# KiCad board Batch 1.kicad_pcb
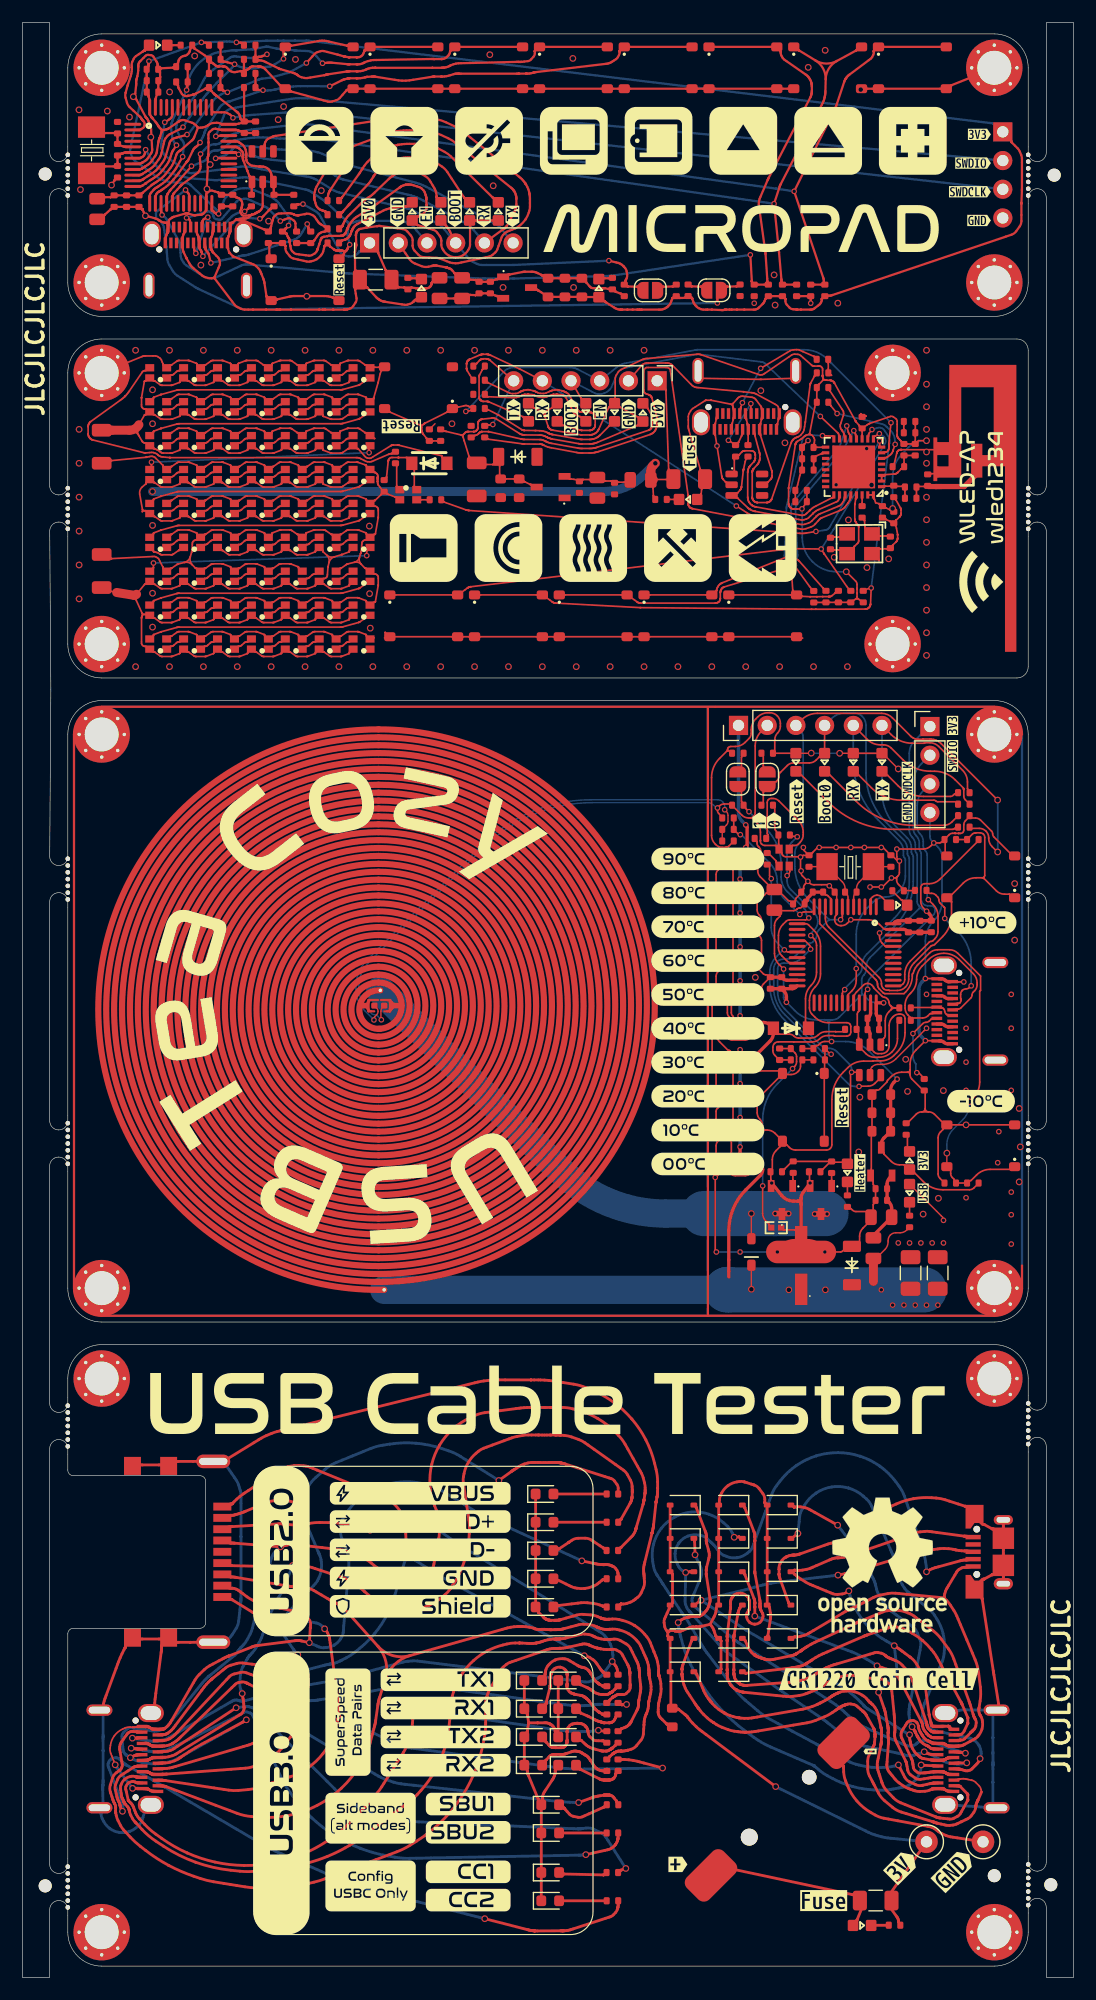
[diagram p0: board, top side]
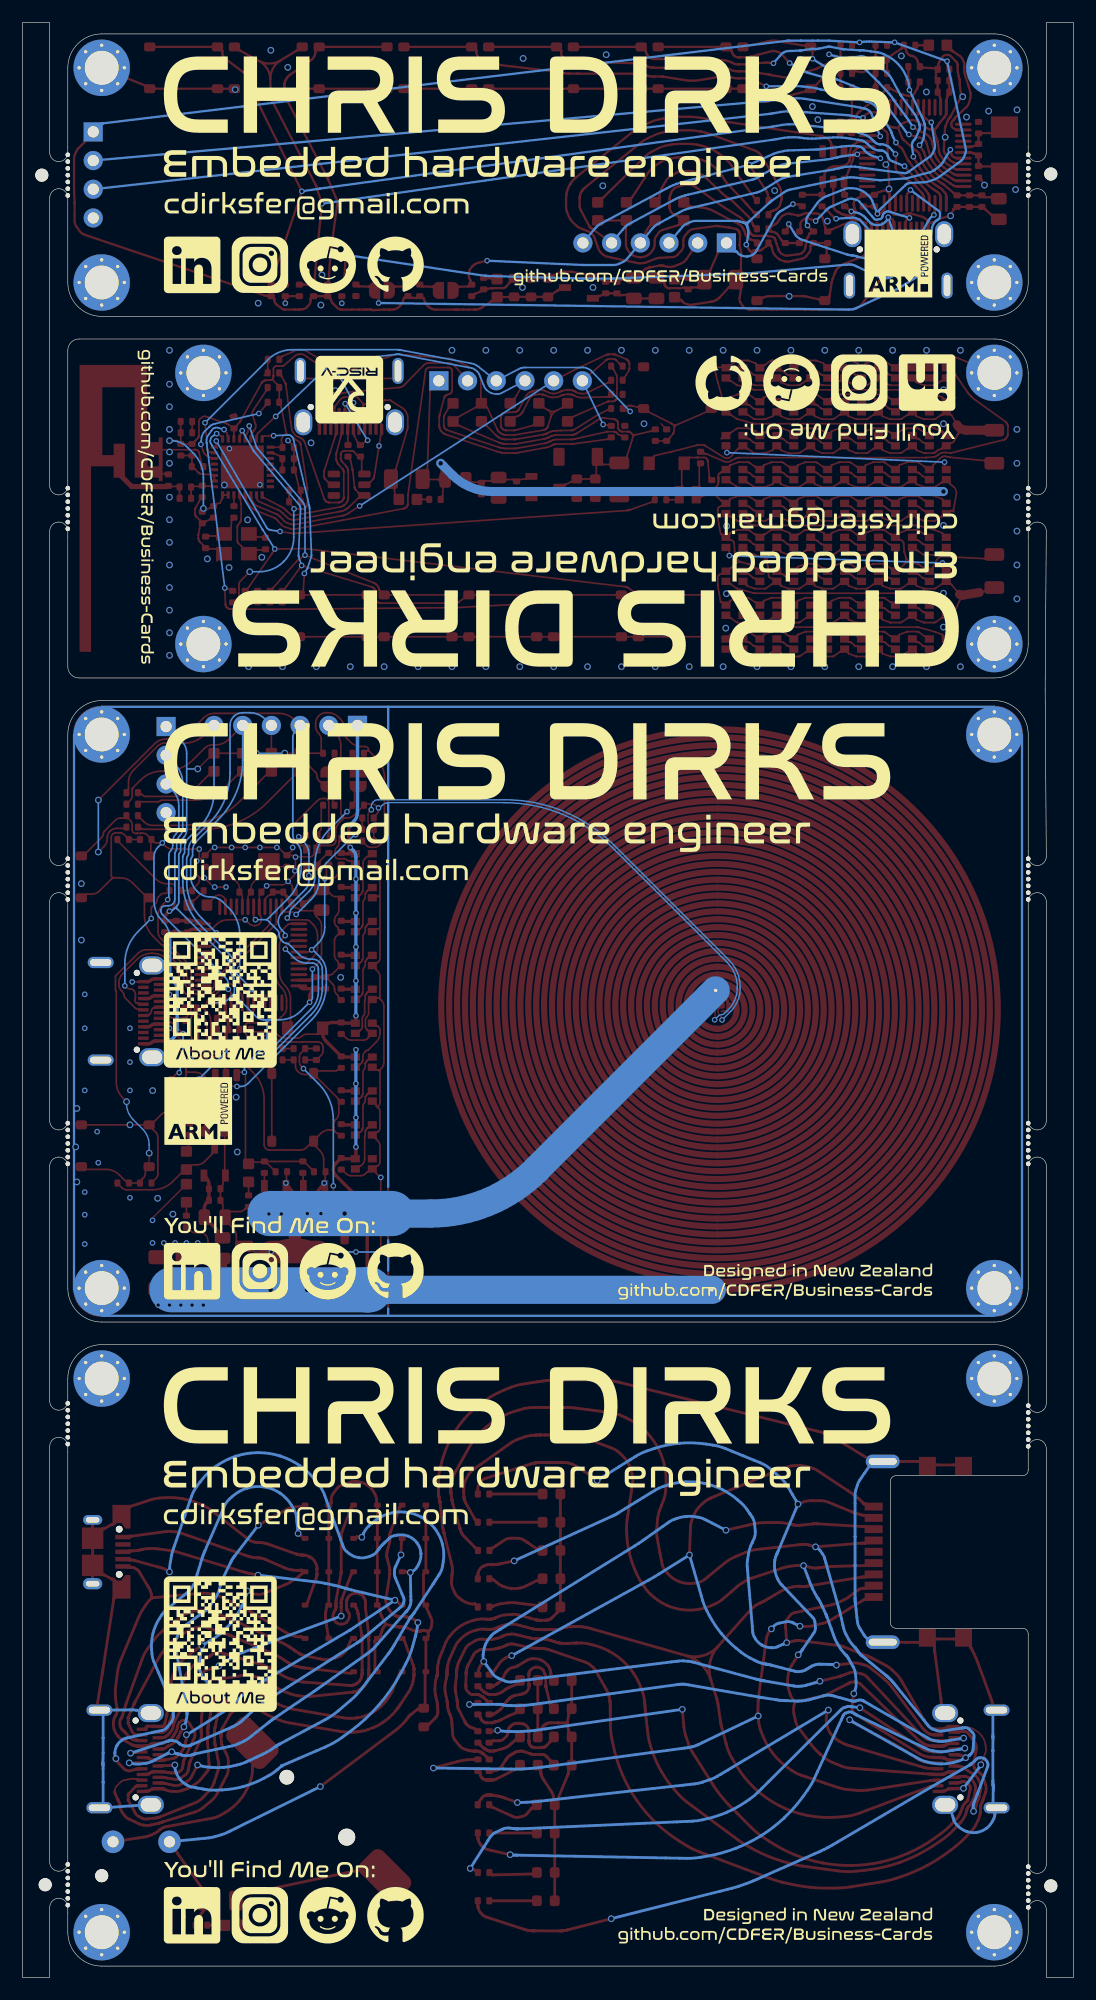
[diagram p1: board, bottom side, seen from below]

Outline 93 x 173 mm; copper layers: Top, Bottom. Coordinates in mm from the lower left corner of the outline.
Outline path: 2.39,57 2.39,71.8 ; 3.2,158.3 arc(2.63,158.07) 2.4,157.5 2.4,146 2.4,132 arc(2.63,131.43) 3.2,131.2 ; 3.2,128.8 arc(2.63,128.57) 2.4,128 2.5,114 2.4,99.2 ; 2.4,75.8 2.4,95.2 ; 2.4,57 2.4,50.8 ; 2.4,10 2.4,46.8 ; 2.4,6 2.4,0 0,0 0,173 2.4,173 2.4,161.5 arc(2.63,160.93) 3.2,160.7 ; 4,162 4,169 arc(4.88,171.12) 7,172 86,172 arc(88.12,171.12) 89,169 89,162 ; 4,157 4,150 arc(4.88,147.88) 7,147 86,147 arc(88.12,147.88) 89,150 89,157 ; 4,132.5 4,142 arc(4.88,144.12) 7,145 88,145 arc(88.71,144.71) 89,144 89,132.5 ; 4,127.5 4,118 arc(4.88,115.88) 7,115 88,115 arc(88.71,115.29) 89,116 89,127.5 ; 4,99.7 4,110 arc(4.88,112.12) 7,113 86,113 arc(88.12,112.12) 89,110 89,99.7 ; 4,76.3 4,94.7 ; 4,71.3 4,61 arc(4.88,58.88) 7,58 86,58 arc(88.12,58.88) 89,61 89,71.3 ; 4,51.3 4,53 arc(4.88,55.12) 7,56 86,56 arc(88.12,55.12) 89,53 89,51.5 ; 4,46.3 4,44.9 arc(4.15,44.55) 4.5,44.4 15.7,44.4 arc(16.05,44.25) 16.2,43.9 16.2,31.4 arc(16.05,31.05) 15.7,30.9 4.5,30.9 arc(4.15,30.75) 4,30.4 4,10.5 ; 4,5.5 4,4 arc(4.88,1.88) 7,1 86,1 arc(88.12,1.88) 89,4 89,5.7 ; 89,94.7 89,76.3 ; 89,46.5 89,10.7 ; 89.8,158.3 arc(90.37,158.07) 90.6,157.5 90.6,146 90.6,132 arc(90.37,131.43) 89.8,131.2 ; 89.8,128.8 arc(90.37,128.57) 90.6,128 90.6,114 90.61,99.2 ; 90.6,173 90.6,161.5 arc(90.37,160.93) 89.8,160.7 ; 90.6,95.2 90.6,75.8 ; 90.6,71.8 90.6,57 90.6,51 ; 90.6,47 90.6,10.2 ; 90.6,6.2 90.6,0 93,0 93,114 93,146 ; 90.6,173 93,173 93,146
Stack: Top 0.035mm / dielectric 0.9mm FR4 er 4.5 / Bottom 0.035mm

## Placement (name value [footprint] x y rotation side)
AE1  Inverted_F_50ohm  [Inverted_F_Antenna_2.4Ghz_1.0mmPCB_TI_CC2430DB.pretty]  87.95 142.71 270 top
B1  CR1220  [BAT-SMD_BS-12-B2AA002]  66.8 14.9 225 top
C1  330pF  [0402_1005Metric]  11.5 166.85 0 top
C2  100nF  [0402_1005Metric]  20.62 163.74 270 top
C3  0402,1uF,25V,X5R  [0402_1005Metric]  20.1 169.75 180 top
C4  100nF  [0402_1005Metric]  18.6 157.25 90 top
C5  0402,1uF,25V,X5R  [0402_1005Metric]  17 168.5 180 top
C6  10nF  [0402_1005Metric]  8.1 157.2 270 top
C7  0402,1uF,25V,X5R  [0402_1005Metric]  20.1 168.5 180 top
C8  330pF  [0402_1005Metric]  17.6 157.25 90 top
C9  330pF  [0402_1005Metric]  9.2 157.2 270 top
C10  0402,1uF,25V,X5R  [0402_1005Metric]  21.75 154 90 top
C11  0402,4.7uF,10V,X5R  [0402_1005Metric]  11.49 168.87 0 top
C12  0402,1uF,25V,X5R  [0402_1005Metric]  17.01 169.75 180 top
C13  0402,20pF,50V,C0G  [0402_1005Metric]  8.4 163.7 270 top
C14  100nF  [0402_1005Metric]  11.5 167.86 0 top
C15  0402,1uF,25V,X5R  [0402_1005Metric]  14.1 169.1 180 top
C16  100nF  [0402_1005Metric]  10.3 157.2 270 top
C17  0402,20pF,50V,C0G  [0402_1005Metric]  8.4 159.8 90 top
C18  330pF  [0402_1005Metric]  19.62 163.74 270 top
C19  1uF  [0805_2012Metric]  6.6 156.5 270 top
C20  0402,330pF,50V,C0G  [0402_1005Metric]  41.4 149.55 90 top
C21  0402,4.7uF,10V,X5R  [0402_1005Metric]  40.4 149.55 90 top
C22  0603,470nF,25V,X7R  [0603_1608Metric]  48 149.55 90 top
C23  0805,1uF,50V,X7R  [0805_2012Metric]  38.9 149.5 90 top
C24  0603,330pF,50V,C0G  [0603_1608Metric]  46.5 149.55 90 top
C25  0603,470nF,25V,X7R  [0603_1608Metric]  49.5 149.55 90 top
C26  0402,1uF,25V,X5R  [0402_1005Metric]  69.75 149.3 270 top
C27  0402,1uF,25V,X5R  [0402_1005Metric]  68.5 149.3 270 top
C28  0402,1uF,25V,X5R  [0402_1005Metric]  64.75 149.3 270 top
C29  1206,4.7uF,50V,X7R  [1206_3216Metric]  7 135.46 270 top
C30  1206,4.7uF,50V,X7R  [1206_3216Metric]  7 124.46 90 top
C31  0402,330pF,50V,C0G  [0402_1005Metric]  49.28 131.89 270 top
C32  0603,470nF,25V,X7R  [0603_1608Metric]  42.31 131.79 270 top
C33  1206,100uF,6.3V,X5R  [1206_3216Metric]  40.19 132.57 270 top
C34  0402,1uF,25V,X5R  [0402_1005Metric]  36 136.49 90 top
C35  100nF  [0402_1005Metric]  32 132 270 top
C36  0603,330pF,50V,C0G  [0603_1608Metric]  43.95 131.79 270 top
C37  0805,1uF,50V,X7R  [0805_2012Metric]  50.87 131.83 270 top
C38  0402,100nF,50V,X7R  [0402_1005Metric]  74.3 137.6 90 top
C39  0402,10uF,6.3V,X5R  [0402_1005Metric]  68.9 131.6 180 top
C40  0402,100nF,50V,X7R  [0402_1005Metric]  69.49 135.4 180 top
C41  0402,4.7uF,10V,X5R  [0402_1005Metric]  52.39 131.76 270 top
C42  0402,1uF,25V,X5R  [0402_1005Metric]  69.5 133.4 180 top
C43  0402,12pF,50V,C0G  [0402_1005Metric]  71.5 126.9 90 top
C44  0402,10uF,6.3V,X5R  [0402_1005Metric]  68.9 130.6 180 top
C45  0402,100nF,50V,X7R  [0402_1005Metric]  69.5 134.4 180 top
C46  0402,1uF,25V,X5R  [0402_1005Metric]  78.5 137.7 180 top
C47  0402,1uF,25V,X5R  [0402_1005Metric]  77.51 133.7 180 top
C48  0402,1.5pF,50V,C0G  [0402_1005Metric]  77.1 131.51 270 top
C49  0402,100nF,50V,X7R  [0402_1005Metric]  78.5 136.7 180 top
C50  0402,100nF,50V,X7R  [0402_1005Metric]  76.1 129.7 270 top
C51  0402,1.5pF,50V,C0G  [0402_1005Metric]  80.1 132.51 90 top
C52  0402,1uF,25V,X5R  [0402_1005Metric]  77.1 129.2 270 top
C53  0402,12pF,50V,C0G  [0402_1005Metric]  76.8 127 90 top
C54  0402,20pF,50V,C0G  [0402_1005Metric]  69.6 98.8 270 top
C55  0402,100nF,16V,X7R  [0402_1005Metric]  62.43 102.61 180 top
C56  100nF  [0402_1005Metric]  64.8 99 270 top
C57  100nF  [0402_1005Metric]  67.4 101.1 180 top
C58  0402,20pF,50V,C0G  [0402_1005Metric]  76.85 98.8 270 top
C59  0402,1uF,25V,X5R  [0402_1005Metric]  82.1 100.7 180 top
C60  100nF  [0402_1005Metric]  64.8 93 270 top
C61  100nF  [0402_1005Metric]  64.8 87 270 top
C62  100nF  [0402_1005Metric]  69.42 96.05 180 top
C63  0402,100nF,16V,X7R  [0402_1005Metric]  68.5 81.2 0 top
C64  0402,1uF,25V,X5R  [0402_1005Metric]  70.5 81.2 180 top
C65  100nF  [0402_1005Metric]  64.8 75 270 top
C66  330pF  [0402_1005Metric]  75.29 84.88 180 top
C67  330pF  [0402_1005Metric]  71.36 96.05 0 top
C68  100nF  [0402_1005Metric]  64.8 78 270 top
C69  100nF  [0402_1005Metric]  75.29 83.88 180 top
C70  100nF  [0402_1005Metric]  64.8 96 270 top
C71  330pF  [0402_1005Metric]  67.18 88.01 90 top
C72  100nF  [0402_1005Metric]  64.8 90 270 top
C73  1uF  [0805_2012Metric]  66.53 95.37 90 top
C74  10nF  [0402_1005Metric]  68.7 95 180 top
C75  100nF  [0402_1005Metric]  64.8 81 270 top
C76  100nF  [0402_1005Metric]  64.8 72 270 top
C77  100nF  [0402_1005Metric]  64.8 84 270 top
C78  100nF  [0402_1005Metric]  66.18 88.01 90 top
C79  0402,4.7uF,10V,X5R  [0402_1005Metric]  80.42 93.01 270 top
C80  330pF  [0402_1005Metric]  78.4 93 270 top
C81  100nF  [0402_1005Metric]  79.41 93 270 top
C82  0603,470nF,25V,X7R  [0603_1608Metric]  76 76.52 180 top
C83  0603,330pF,50V,C0G  [0603_1608Metric]  76 74.88 180 top
C84  0603,470nF,25V,X7R  [0603_1608Metric]  76 78.13 180 top
C85  22uF 35V  [CAP-SMD_BD5.0-L5.3-W5.3-LS6.0-FD]  68.9 63 90 top
C86  0402,1uF,25V,X5R  [0402_1005Metric]  82.1 70.3 180 top
C87  0805,1uF,50V,X7R  [0805_2012Metric]  76 67.28 180 top
C88  0402,330pF,50V,C0G  [0402_1005Metric]  76 69.8 180 top
C89  0402,4.7uF,10V,X5R  [0402_1005Metric]  76 68.77 180 top
C90  0603,10uF,10V,X5R  [0603_1608Metric]  57.5 23 270 top
D1  Zenner 3.3V <2uA ZMM3V3  [LL-34_L3.5-W1.5-RD]  43.83 134.57 0 top
D2  1N5819WS  [SOD-323_L1.8-W1.3-LS2.5-RD]  64.5 64.2 90 top
D3  ZMM5V6  [LL-34_L3.5-W1.5-RD]  73.4 63 90 top
D4  LED  [LED_0603_1608Metric]  45.19 21.28 0 top
D5  LED  [LED_0603_1608Metric]  45.19 26.28 0 top
D6  LED  [LED_0603_1608Metric]  48.19 26.28 0 top
D7  LED  [LED_0603_1608Metric]  46.19 40.28 0 top
D8  LED  [LED_0603_1608Metric]  48.19 21.28 0 top
D9  LED  [LED_0603_1608Metric]  45.19 23.78 0 top
D10  LED  [LED_0603_1608Metric]  46.19 42.78 0 top
D11  LED  [LED_0603_1608Metric]  46.19 32.78 0 top
D12  LED  [LED_0603_1608Metric]  46.19 35.28 0 top
D13  LED  [LED_0603_1608Metric]  48.19 23.78 0 top
D14  LED  [LED_0603_1608Metric]  46.19 37.78 0 top
D15  RB501V-40  [D_SOD-323]  62.66 30 180 top
D16  RB501V-40  [D_SOD-323]  62.66 35.9 180 top
D17  RB501V-40  [D_SOD-323]  66.95 32.95 180 top
D18  RB501V-40  [D_SOD-323]  66.95 35.9 180 top
D19  RB501V-40  [D_SOD-323]  66.95 38.85 180 top
D20  RB501V-40  [D_SOD-323]  58.36 32.95 180 top
D21  RB501V-40  [D_SOD-323]  58.36 30 180 top
D22  RB501V-40  [D_SOD-323]  62.66 38.85 180 top
D23  RB501V-40  [D_SOD-323]  62.66 27.05 180 top
D24  RB501V-40  [D_SOD-323]  62.66 41.8 180 top
D25  RB501V-40  [D_SOD-323]  66.95 41.8 180 top
D26  RB501V-40  [D_SOD-323]  58.36 27.05 180 top
D27  RB501V-40  [D_SOD-323]  66.95 30 180 top
D28  RB501V-40  [D_SOD-323]  58.36 38.85 180 top
D29  RB501V-40  [D_SOD-323]  58.36 35.9 180 top
D30  RB501V-40  [D_SOD-323]  58.36 41.8 180 top
D31  RB501V-40  [D_SOD-323]  62.66 32.95 180 top
D32  LED  [LED_0603_1608Metric]  48.19 18.78 0 top
D33  LED  [LED_0603_1608Metric]  46.69 6.78 0 top
D34  LED  [LED_0603_1608Metric]  46.69 12.78 0 top
D35  LED  [LED_0603_1608Metric]  45.19 18.78 0 top
D36  LED  [LED_0603_1608Metric]  46.69 15.28 0 top
D37  LED  [LED_0603_1608Metric]  46.69 9.28 0 top
ESD1  SRV05  [SOT-23-6_L2.9-W1.6-P0.95-LS2.8-BR]  21.25 160.25 270 top
ESD2  SRV05  [SOT-23-6_L2.9-W1.6-P0.95-LS2.8-BR]  64.1 132.1 180 top
ESD3  SRV05  [SOT-23-6_L2.9-W1.6-P0.95-LS2.8-BR]  75 81.2 90 top
F1  1.5A Resettable Fuse  [Fuse_1206_3216Metric]  31.25 150.25 180 top
F2  1.5A Resettable Fuse  [Fuse_1206_3216Metric]  59 132.6 0 top
F3  1.5A Resettable Fuse  [Fuse_1206_3216Metric]  80.99 62.34 90 top
F4  1.5A Resettable Fuse  [Fuse_1206_3216Metric]  78.59 62.34 90 top
F5  1.5A Resettable Fuse  [Fuse_1206_3216Metric]  75.5 6.8 180 top
FB1  0805,800mA  [0805_2012Metric]  36.9 149.5 270 top
FB2  0805,800mA  [0805_2012Metric]  54.69 132.53 180 top
FB3  0805,800mA  [0805_2012Metric]  75.3 64.54 90 top
HC1  Heater  [heater_coil]  31.5 86 270 top
J1  USB_C_Receptacle  [TYPE-C-SMD_C9900025773]  15.5 152.31 0 top
J2  Conn_01x06_Socket  [PinHeader_1x06_P2.54mm_Vertical]  30.71 153.5 90 top
J3  Conn_01x04_Socket  [PinHeader_1x04_P2.54mm_Vertical]  86.75 163.33 0 top
J4  USB_C_Receptacle  [TYPE-C-SMD_C9900025773]  64.1 139.59 180 top
J5  Conn_01x06_Socket  [PinHeader_1x06_P2.54mm_Vertical]  56.16 141.3 270 top
J6  Conn_01x06_Socket  [PinHeader_1x06_P2.54mm_Vertical]  63.36 110.8 90 top
J7  Conn_01x04_Socket  [PinHeader_1x04_P2.54mm_Vertical]  80.3 110.7 0 top
J8  USB_C_Receptacle  [TYPE-C-SMD_C9900025773]  83.5 85.5 90 top
J9  USB3_A  [USB-A-SMD_HC-USB3.0-C225-P]  13.7 37.67 270 top
J10  USB_B_Micro  [USB_Micro-B_XKB_U254-051T-4BH83-F1S]  86.41 37.67 90 top
J11  USB_C_Receptacle  [TYPE-C-SMD_C9900025773]  9.39 19.33 270 top
J12  USB_C_Receptacle  [TYPE-C-SMD_C9900025773]  83.61 19.33 90 top
JLC1  -  [MountingHole_2.1mm]  2 159.6 0 top
JLC2  -  [MountingHole_2.1mm]  91.3 159.5 0 top
JLC3  -  [MountingHole_2.1mm]  2 8.1 0 top
JLC4  -  [MountingHole_2.1mm]  86 9 0 top
JLC5  -  [MountingHole_2.1mm]  91 8.2 0 top
JP1  Jumper_2_Open  [SolderJumper-2_P1.3mm_Open_RoundedPad1.0x1.5mm]  61.2 149.31 180 top
JP2  Jumper_2_Open  [SolderJumper-2_P1.3mm_Open_RoundedPad1.0x1.5mm]  55.55 149.3 0 top
JP3  Jumper_2_Open  [SolderJumper-2_P1.3mm_Open_RoundedPad1.0x1.5mm]  65.9 106.04 90 top
JP4  Jumper_2_Open  [SolderJumper-2_P1.3mm_Open_RoundedPad1.0x1.5mm]  63.3 106.04 90 top
kibuzzard-1  G***  [kibuzzard-669760FB]  30.6 156.17 90 top
kibuzzard-2  G***  [kibuzzard-66975FBD]  28 150.25 90 top
kibuzzard-3  G***  [kibuzzard-66976103]  33.16 156.21 90 top
kibuzzard-4  G***  [kibuzzard-66976111]  38.26 156.52 90 top
kibuzzard-5  G***  [kibuzzard-6697610A]  35.71 155.81 90 top
kibuzzard-6  G***  [kibuzzard-66976119]  40.81 155.84 90 top
kibuzzard-7  G***  [kibuzzard-66976121]  43.35 155.85 90 top
kibuzzard-8  G***  [kibuzzard-66975F6C]  83.84 158.03 0 top
kibuzzard-9  G***  [kibuzzard-66975F2F]  84.12 160.57 0 top
kibuzzard-10  G***  [kibuzzard-66975F78]  84.65 155.49 0 top
kibuzzard-11  G***  [kibuzzard-66975F57]  84.68 163.11 0 top
kibuzzard-12  G***  [kibuzzard-66972E01]  45.99 138.76 90 top
kibuzzard-13  G***  [kibuzzard-66972E1B]  48.54 138.08 90 top
kibuzzard-14  G***  [kibuzzard-66972F43]  33.52 137.28 180 top
kibuzzard-15  G***  [kibuzzard-66972DEC]  43.45 138.76 90 top
kibuzzard-16  G***  [kibuzzard-66972EDE]  59.03 134.85 90 top
kibuzzard-17  G***  [kibuzzard-66972E52]  53.64 138.4 90 top
kibuzzard-18  G***  [kibuzzard-66972E33]  51.09 138.79 90 top
kibuzzard-19  G***  [kibuzzard-66972E60]  56.2 138.44 90 top
kibuzzard-20  G***  [kibuzzard-6697709F]  71 104.1 90 top
kibuzzard-21  G***  [kibuzzard-66977083]  68.5 104.1 90 top
kibuzzard-22  G***  [kibuzzard-669770AA]  73.5 105.1 90 top
kibuzzard-23  G***  [kibuzzard-669770CC]  66.5 102.4 90 top
kibuzzard-24  G***  [kibuzzard-669770DC]  65.2 102.4 90 top
kibuzzard-25  G***  [kibuzzard-669770B6]  76.1 105.1 90 top
kibuzzard-26  G***  [kibuzzard-6697719B]  78.3 103.1 90 top
kibuzzard-27  G***  [kibuzzard-66977193]  78.3 105.9 90 top
kibuzzard-28  G***  [kibuzzard-6697716D]  82.3 110.8 90 top
kibuzzard-29  G***  [kibuzzard-66977187]  82.3 108.1 90 top
kibuzzard-30  G***  [kibuzzard-6697705A]  72.5 77 90 top
kibuzzard-31  G***  [kibuzzard-669771DB]  79.7 72.3 90 top
kibuzzard-32  G***  [kibuzzard-66977218]  74.1 71.2 90 top
kibuzzard-33  G***  [kibuzzard-669771D1]  79.7 69.4 90 top
kibuzzard-34  G***  [kibuzzard-668C577E]  75.8 26.4 0 top
kibuzzard-35  G***  [kibuzzard-668C5C99]  70.9 6.8 0 top
kibuzzard-36  G***  [kibuzzard-668C6B90]  58 10 0 top
kibuzzard-37  G***  [kibuzzard-668C6BA4]  75 20 180 top
kibuzzard-38  G***  [kibuzzard-668C5838]  77.82 9.82 45 top
kibuzzard-39  G***  [kibuzzard-668C5808]  82.4 9.5 45 top
L1  0402,3.9nH,300mA  [0402_1005Metric]  78.6 131.9 180 top
L2  0402,3.9nH,300mA  [0402_1005Metric]  78.6 130.9 180 top
L3  0402,3.9nH,300mA  [0402_1005Metric]  78 135.2 270 top
L4  0402,3.9nH,300mA  [0402_1005Metric]  79 135.2 270 top
LDO1  LDO 3.3V 200mA XC6206P332MR  [SOT-23-3_L2.9-W1.6-P1.90-LS2.8-BR]  43.76 149.55 180 top
LDO2  LDO 3.3V 200mA XC6206P332MR  [SOT-23-3_L2.9-W1.6-P1.90-LS2.8-BR]  46.73 131.89 0 top
LDO3  LDO 3.3V 200mA XC6206P332MR  [SOT-23-3_L2.9-W1.6-P1.90-LS2.8-BR]  76 72.2 270 top
LED1  0603,Yellow  [LED0603]  12 171 180 top
LED2  0603,Yellow  [LED0603]  42.1 156.29 270 top
LED3  0603,Yellow  [LED0603]  39.56 156.29 270 top
LED4  0603,Red  [LED0603]  34.48 156.29 270 top
LED5  0603,Red  [LED0603]  37.02 156.29 270 top
LED6  0603,Red  [LED0603]  35.3 149.5 270 top
LED7  0603,Red  [LED0603]  51 149.5 270 top
LED8  0603,Yellow  [LED0603]  47.31 138.51 90 top
LED9  0603,Yellow  [LED0603]  44.77 138.51 90 top
LED10  0603,Red  [LED0603]  49.85 138.51 90 top
LED11  0603,Red  [LED0603]  54.9 138.5 270 top
LED12  0603,Red  [LED0603]  52.39 138.51 90 top
LED13  0603,Red  [LED0603]  58.9 130.8 0 top
LED14  0603,Red  [LED0603]  68.44 107.54 90 top
LED15  0603,Red  [LED0603]  70.98 107.54 90 top
LED16  0603,Yellow  [LED0603]  73.52 107.54 90 top
LED17  0603,Yellow  [LED0603]  76.06 107.54 90 top
LED18  0603,Red  [LED0603]  78.5 72.3 270 top
LED19  0603,Yellow  [LED0603]  77.48 94.9 180 top
LED20  0603,Red  [LED0603]  73 71.2 90 top
LED21  0603,Red  [LED0603]  78.5 69.4 90 top
LED22  0603,Red  [LED0603]  74.3 4.6 180 top
M1  -  [MountingHole_3.2mm_M3]  7 169 90 top
M2  -  [MountingHole_3.2mm_M3]  7 150 90 top
M3  -  [MountingHole_3.2mm_M3]  86 169 90 top
M4  -  [MountingHole_3.2mm_M3]  86 150 90 top
M5  -  [MountingHole_3.2mm_M3]  7 142 90 top
M6  -  [MountingHole_3.2mm_M3]  77 142 90 top
M7  -  [MountingHole_3.2mm_M3]  7 118 90 top
M8  -  [MountingHole_3.2mm_M3]  7 110 90 top
M9  -  [MountingHole_3.2mm_M3]  77 118 90 top
M10  -  [MountingHole_3.2mm_M3]  86 110 90 top
M11  -  [MountingHole_3.2mm_M3]  7 53 90 top
M12  -  [MountingHole_3.2mm_M3]  7 61 90 top
M13  -  [MountingHole_3.2mm_M3]  86 53 90 top
M14  -  [MountingHole_3.2mm_M3]  86 61 90 top
M15  -  [MountingHole_3.2mm_M3]  7 4 90 top
M16  -  [MountingHole_3.2mm_M3]  86 4 90 top
MB1  -  [MouseBitesJLCPCB]  4 159.5 90 top
MB2  -  [MouseBitesJLCPCB]  89 159.5 270 top
MB3  -  [MouseBitesJLCPCB]  4 130 90 top
MB4  -  [MouseBitesJLCPCB]  89 130 270 top
NOREF  -  [29b2475f-d1f9-413a-acd7-ed0fdfac1ce2]  3.2 50 0 top
NOREF#2  -  [29b2475f-d1f9-413a-acd7-ed0fdfac1ce2]  3.2 98.4 0 top
NOREF#3  -  [74cc307d-ef1c-4d55-ab28-7a463adb6a10]  90.6 75.8 0 top
NOREF#4  -  [74cc307d-ef1c-4d55-ab28-7a463adb6a10]  90.61 99.2 0 top
NOREF#5  -  [74cc307d-ef1c-4d55-ab28-7a463adb6a10]  2.4 46.8 180 top
NOREF#6  -  [29b2475f-d1f9-413a-acd7-ed0fdfac1ce2]  89.8 72.6 180 top
NOREF#7  -  [29b2475f-d1f9-413a-acd7-ed0fdfac1ce2]  89.8 7 180 top
NOREF#8  -  [29b2475f-d1f9-413a-acd7-ed0fdfac1ce2]  89.8 96 180 top
NOREF#9  -  [74cc307d-ef1c-4d55-ab28-7a463adb6a10]  2.39 71.8 180 top
NOREF#10  -  [74cc307d-ef1c-4d55-ab28-7a463adb6a10]  2.4 95.2 180 top
NOREF#11  -  [29b2475f-d1f9-413a-acd7-ed0fdfac1ce2]  89.8 47.8 180 top
NOREF#12  -  [74cc307d-ef1c-4d55-ab28-7a463adb6a10]  2.4 6 180 top
NOREF#13  -  [74cc307d-ef1c-4d55-ab28-7a463adb6a10]  90.6 10.2 0 top
NOREF#14  -  [74cc307d-ef1c-4d55-ab28-7a463adb6a10]  90.6 51 0 top
NOREF#15  -  [29b2475f-d1f9-413a-acd7-ed0fdfac1ce2]  3.2 9.2 0 top
NOREF#16  -  [29b2475f-d1f9-413a-acd7-ed0fdfac1ce2]  3.2 75 0 top
R1  0402,22  [0402_1005Metric]  22.25 157.25 90 top
R2  0402,10k  [0402_1005Metric]  20.1 167.25 0 top
R3  0402,4.7k  [0402_1005Metric]  24 157.25 90 top
R4  0402,10k  [0402_1005Metric]  17 171 0 top
R5  0402,10k  [0402_1005Metric]  23 154 270 top
R6  0402,5.1k  [0402_1005Metric]  24.25 154 270 top
R7  0402,10k  [0402_1005Metric]  17 167.25 0 top
R8  0402,10k  [0402_1005Metric]  14.1 167.75 0 top
R9  0402,150  [0402_1005Metric]  14.5 171 180 top
R10  0402,10k  [0402_1005Metric]  20.1 171 0 top
R11  0402,22  [0402_1005Metric]  20.25 157.25 90 top
R12  0402,1M  [0402_1005Metric]  8.4 161.75 270 top
R13  0402,1.2k  [0402_1005Metric]  27.5 154.75 180 top
R14  0402,1.2k  [0402_1005Metric]  27.5 153.5 180 top
R15  0402,330  [0402_1005Metric]  34.1 149.9 90 top
R16  0402,5.1k  [0402_1005Metric]  25.5 154 270 top
R17  0402,680  [0402_1005Metric]  27.5 157.25 180 top
R18  0402,680  [0402_1005Metric]  27.5 156 180 top
R19  0402,100k  [0402_1005Metric]  63.5 149.31 90 top
R20  0402,10k  [0402_1005Metric]  66 149.3 90 top
R21  0402,1k  [0402_1005Metric]  58.9 149.31 90 top
R22  0402,10k  [0402_1005Metric]  71 149.3 90 top
R23  0402,1.2k  [0402_1005Metric]  52.2 149.9 270 top
R24  0402,1k  [0402_1005Metric]  57.85 149.3 90 top
R25  0402,10k  [0402_1005Metric]  67.25 149.3 90 top
R26  0402,100k  [0402_1005Metric]  53.25 149.3 90 top
R27  0402,1.2k  [0402_1005Metric]  40.4 138.85 180 top
R28  0402,100  [0402_1005Metric]  36.54 130.77 180 top
R29  0402,1.2k  [0402_1005Metric]  40.4 140.1 180 top
R30  0402,680  [0402_1005Metric]  40.4 141.35 180 top
R31  0402,100  [0402_1005Metric]  33 134.51 90 top
R32  0402,510  [0402_1005Metric]  40.9 136.8 90 top
R33  0402,1.2k  [0402_1005Metric]  39.7 136.8 90 top
R34  0402,10k  [0402_1005Metric]  37 136.49 270 top
R35  0402,680  [0402_1005Metric]  40.4 142.6 180 top
R36  0402,0,1A  [0402_1005Metric]  74.3 129.7 270 top
R37  0402,10k  [0402_1005Metric]  70.8 140.7 0 top
R38  0402,5.1k  [0402_1005Metric]  70.8 142 0 top
R39  0402,0,1A  [0402_1005Metric]  63.1 135.1 270 top
R40  0402,0,1A  [0402_1005Metric]  64.2 135.1 270 top
R41  0402,10k  [0402_1005Metric]  70.8 139.4 0 top
R42  0402,330  [0402_1005Metric]  56.5 130.8 0 top
R43  0402,5.1k  [0402_1005Metric]  70.79 143.2 0 top
R44  0402,10k  [0402_1005Metric]  71.1 122.2 90 top
R45  0402,10k  [0402_1005Metric]  72.2 122.2 90 top
R46  0402,100k  [0402_1005Metric]  63.3 103.74 0 top
R47  0402,1k  [0402_1005Metric]  65.9 108.34 180 top
R48  0402,10k  [0402_1005Metric]  70.02 122.19 90 top
R49  0402,10k  [0402_1005Metric]  73.3 122.2 90 top
R50  0402,100  [0402_1005Metric]  65.9 99 90 top
R51  0402,10k  [0402_1005Metric]  74.4 122.2 90 top
R52  0402,1k  [0402_1005Metric]  63.3 108.34 0 top
R53  0402,1k  [0402_1005Metric]  62.43 101.6 0 top
R54  0402,100  [0402_1005Metric]  65.3 100.8 180 top
R55  0402,100k  [0402_1005Metric]  65.9 103.74 180 top
R56  0402,47k  [0402_1005Metric]  62.43 100.57 180 top
R57  0402,10k  [0402_1005Metric]  84.1 100.7 180 top
R58  0402,680  [0402_1005Metric]  83.3 104.85 0 top
R59  0402,1.2k  [0402_1005Metric]  83.3 101.8 0 top
R60  0402,1.2k  [0402_1005Metric]  83.3 102.82 0 top
R61  0402,680  [0402_1005Metric]  83.3 103.83 0 top
R62  47k 3950K  [R0402#2]  31.57 86 180 top
R63  0402,4.7k  [0402_1005Metric]  68.2 71.71 270 top
R64  0402,1k  [0402_1005Metric]  67 81.7 270 top
R65  0402,47k  [0402_1005Metric]  68.5 82.2 180 top
R66  0402,4.7k  [0402_1005Metric]  71.6 71.7 270 top
R67  0402,10k  [0402_1005Metric]  70.5 82.2 0 top
R68  0402,4.7k  [0402_1005Metric]  73.3 83.9 0 top
R69  0402,1M  [0402_1005Metric]  73.3 96.05 180 top
R70  0402,5.1k  [0402_1005Metric]  79.49 96.2 180 top
R71  0402,150  [0402_1005Metric]  77.48 96.17 180 top
R72  0402,1.2k  [0402_1005Metric]  78.2 75.08 90 top